# KiCad board ILI9341_ESP32.kicad_pcb (continued)
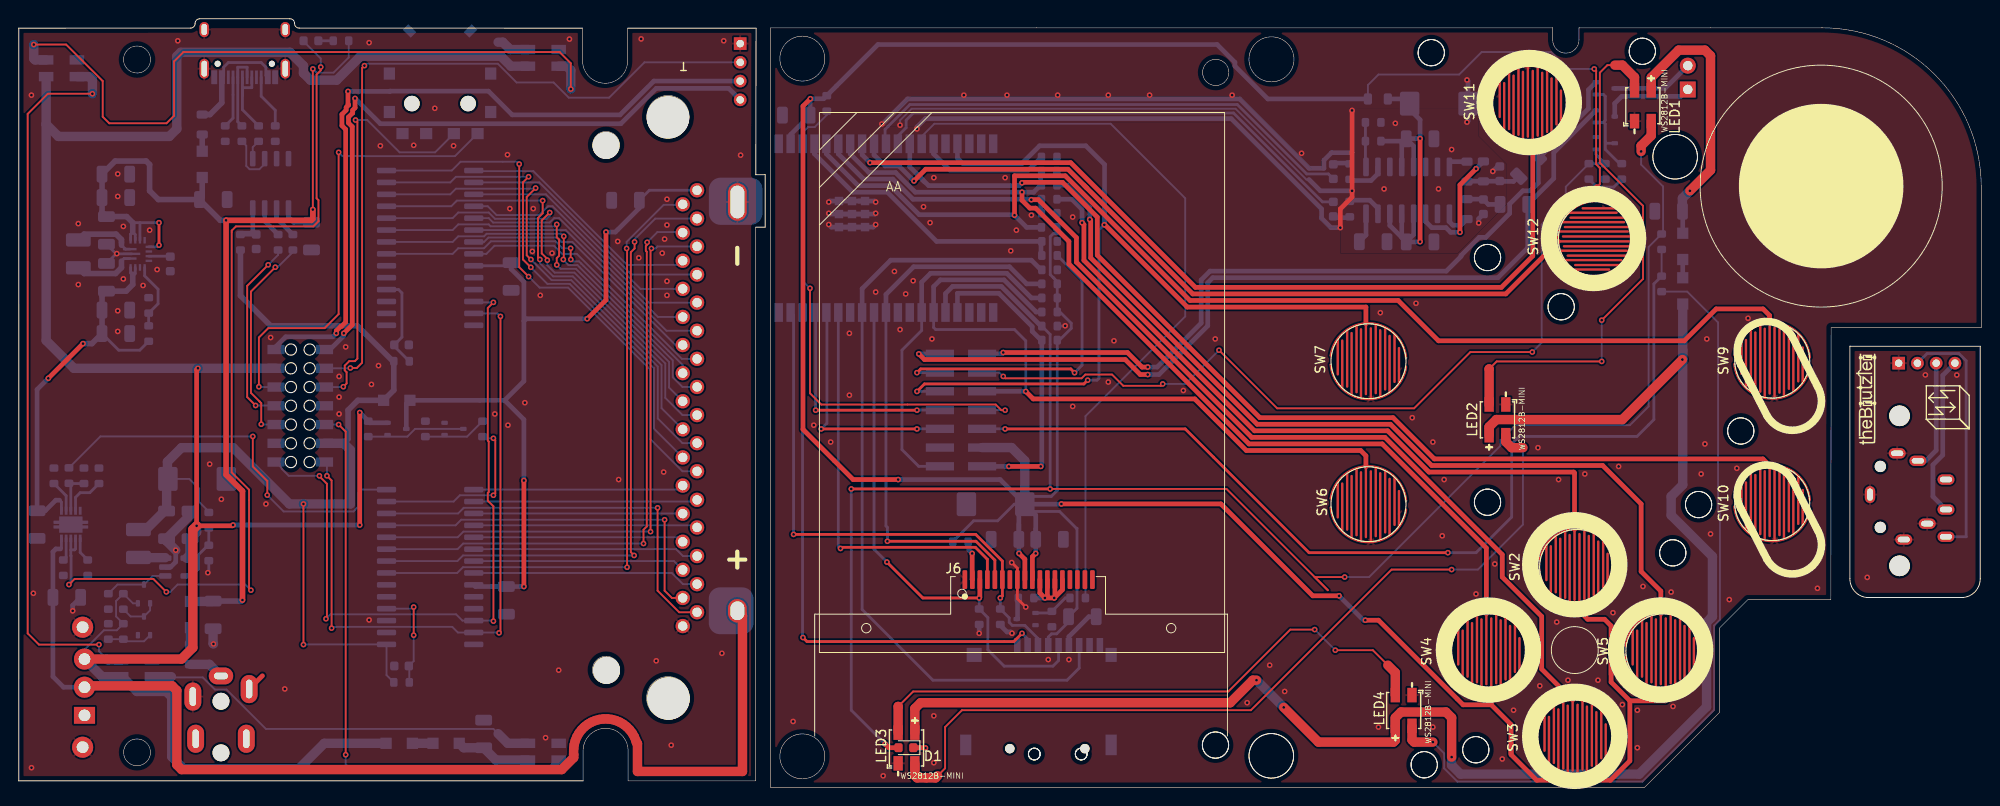
[diagram p0: board, top side]
## Nets
+3V3: C4.1 C9.1 C20.1 C26.1 C28.1 C30.1 C31.1 D5.2 FB1.1 J5.4 J6.9 J6.10 L1.2 R10.2 R11.2 R12.1 R14.2 R15.2 R16.2 R17.2 R18.2 R24.1 R26.2 R29.1 R39.1 R40.1 SW2.1 SW3.1 SW4.1 SW5.1 U3.2 U6.15 U8.4 U12.4
/V3: C10.1 R15.1 U1.8
GND: BT2.2 C1.2 C2.2 C3.2 C4.2 C5.2 C6.2 C7.2 C8.2 C9.2 C10.2 C11.2 C14.2 C15.2 C16.1 C19.2 C20.2 C21.1 C22.1 C23.2 C24.2 C25.2 C26.2 C27.2 C28.2 C29.2 C30.2 C31.2 C32.1 C33.1 C34.2 C35.2 C36.2 C37.2 C38.2 DC1.3 J1.A1 J1.A12 J1.B1 J1.B12 J1.S1 J3.1 J5.6 J5.G J6.1 J6.8 J7.32 J10.1 LED1.3 LED2.3 LED3.3 LED4.3 LED5.3 LED6.3 LED7.3 LED8.3 Q2.2 Q6.2 Q8.2 Q9.2 R2.2 R4.1 R5.2 R9.2 R13.2 R19.2 R20.2 R21.2 R22.2 R23.2 R27.2 R33.2 R36.2 R37.2 R45.2 R47.2 R48.1 R49.1 R50.2 R51.1 R53.2 R54.1 R56.1 R59.2 SW1.4 SW1.5 SW6.1 SW7.1 SW9.1 SW10.1 SW11.1 SW12.1 U1.3 U2.2 U3.1 U3.15 U3.38 U3.39 U4.2 U4.11 U4.15 U5.10 U5.15 U5.16 U5.17 U6.10 U6.16 U6.17 U7.C U8.3 U9.5 U9.11 U11.2 U11.4 U11.6 U11.10 U11.15 U12.3
/AUDIO/AUDIO_DETECT: J3.2 U12.12
/AUDIO/AUDIO_LEFT: J3.3 U12.13
/AUDIO/AUDIO_RIGHT: J3.4 U12.14
/CHARGER_EN: R55.2 U6.28
/D+: R7.2 U1.1
/D-: R6.1 U1.2
/DC_JACK: DC1.1
/DMG_CARD/CARD_A0: J7.6 U5.1
/DMG_CARD/CARD_A1: J7.7 U5.2
/DMG_CARD/CARD_A2: J7.8 U5.3
/DMG_CARD/CARD_A3: J7.9 U5.4
/DMG_CARD/CARD_A4: J7.10 U5.5
/DMG_CARD/CARD_A5: J7.11 U5.6
/DMG_CARD/CARD_A6: J7.12 U5.7
/DMG_CARD/CARD_A7: J7.13 U5.8
/DMG_CARD/CARD_A8: J7.14 U5.21
/DMG_CARD/CARD_A9: J7.15 U5.22
/DMG_CARD/CARD_A10: J7.16 U5.23
/DMG_CARD/CARD_A11: J7.17 U5.24
/DMG_CARD/CARD_A12: J7.18 U5.25
/DMG_CARD/CARD_A13: J7.19 U5.26
/DMG_CARD/CARD_A14: J7.20 U5.27
/DMG_CARD/CARD_A15: J7.21 U5.28
/DMG_CARD/CARD_CLK: J7.2 U6.21
/DMG_CARD/CARD_D0: J7.22 U6.1
/DMG_CARD/CARD_D1: J7.23 U6.2
/DMG_CARD/CARD_D2: J7.24 U6.3
/DMG_CARD/CARD_D3: J7.25 U6.4
/DMG_CARD/CARD_D4: J7.26 U6.5
/DMG_CARD/CARD_D5: J7.27 U6.6
/DMG_CARD/CARD_D6: J7.28 U6.7
/DMG_CARD/CARD_D7: J7.29 U6.8
/DMG_CARD/CARD_SCL: U5.12 U6.12 U12.1
/DMG_CARD/CARD_SDA: U5.13 U6.13 U12.2
/DMG_CARD/CARD_VCC: C23.1 C24.1 C25.1 D5.1 J7.1 Q5.3 U5.9 U6.9
/DMG_CARD/CARD_VIN: J7.31 U6.26
/DMG_CARD/CARD_VOLTAGE: Q5.1 Q6.3 R34.2
/DMG_CARD/CARD_~{CS}: J7.5 U6.24
/DMG_CARD/CARD_~{RD}: J7.4 U6.23
/DMG_CARD/CARD_~{RES}: J7.30 U6.25
/DMG_CARD/CARD_~{WR}: J7.3 U6.22
/EN: U12.8
/FRONT_BUTTONS/AudioLEFT: C17.2 Q3.2 U8.13
/FRONT_BUTTONS/AudioRIGHT: C18.2 Q7.2 U8.14
/FRONT_BUTTONS/CLK: J5.5 J6.3 R27.1 U3.30
/FRONT_BUTTONS/EN: R16.1 U3.3 U8.8
/FRONT_BUTTONS/I2C_CLK: R10.1 U3.26 U8.1
/FRONT_BUTTONS/I2C_SDA: R11.1 U3.23 U8.2
/FRONT_BUTTONS/KEY_A: SW11.2 U3.8
/FRONT_BUTTONS/KEY_B: SW12.2 U3.9
/FRONT_BUTTONS/KEY_DOWN: R32.2 SW5.2
/FRONT_BUTTONS/KEY_LEFT: R37.1 R38.1 SW3.2 U3.6
/FRONT_BUTTONS/KEY_MENU: SW7.2 U3.16 U8.9
/FRONT_BUTTONS/KEY_OPTION: R17.1 SW6.2 U3.25 U8.10
/FRONT_BUTTONS/KEY_RIGHT: R38.2 SW2.2
/FRONT_BUTTONS/KEY_SELECT: SW10.2 U3.12
/FRONT_BUTTONS/KEY_START: R14.1 SW9.2 U3.5
/FRONT_BUTTONS/KEY_UP: R21.1 R32.1 SW4.2 U3.7
/FRONT_BUTTONS/LCD_BCKL: R46.1 U3.13
/FRONT_BUTTONS/LCD_DC: J6.4 U3.33
/FRONT_BUTTONS/LCD_~{CS}: J6.5 R18.1 U3.29
/FRONT_BUTTONS/LED: D1.2 LED1.4 R19.1 R41.1 U3.24
/FRONT_BUTTONS/MOSI: J5.3 J6.6 R45.1 U3.37
/FRONT_BUTTONS/RXD: U3.34 U8.5
/FRONT_BUTTONS/SD_MISO: J5.7 R22.1 U3.31
/FRONT_BUTTONS/SD_~{CS}: J5.2 U3.36
/FRONT_BUTTONS/SOUND_LEFT: C12.1 U3.11
/FRONT_BUTTONS/SOUND_RIGHT: C13.1 U3.10
/FRONT_BUTTONS/SPK+: LS1.2 Q7.3
/FRONT_BUTTONS/SPK-: LS1.1 Q3.3
/FRONT_BUTTONS/SPK_~{EN}: Q8.1 R40.2 R47.1 U8.12
/FRONT_BUTTONS/TXD: U3.35 U8.7
/FRONT_BUTTONS/V_BAT_ADC: R35.2 R36.1 U3.4
/FRONT_BUTTONS/V_BATT: R35.1 U8.11
/FRONT_BUTTONS/xLED: LED8.4 U12.6
/KEY_MENU: U7.A U12.9
/KEY_OPTION: U7.S U12.10
/RXD: R43.1 U12.5
/STAT1: D4.1 U9.7 U9.8
/TXD: R44.1 U12.7
/V_BATT: C8.1 D7.2 LED5.1 LED6.1 LED7.1 Q5.2 Q10.2 R34.1 R58.1 R60.1 SW1.3 U2.4 U12.11
/VUSB: C1.1 C2.1 C11.1 C19.1 C34.1 C35.1 D2.1 D3.1 R57.1 U1.5 U11.1 U11.12 U11.13 U11.14
Net-(BT1-+): BT1.1 C3.1 J9.1 SW1.2 U9.10
Net-(C12-Pad2): C12.2 R3.1
Net-(C13-Pad2): C13.2 R8.1
Net-(C15-Pad1): C15.1 C18.1 FB3.2 FB4.2
Net-(C16-Pad2): C16.2 C17.1 FB2.2
Net-(D1-K): D1.1 R20.1
Net-(D2-A): D2.2 FB7.2
Net-(D3-A): D3.2 FB6.2
Net-(D4-A): D4.2 R57.2
Net-(D6-A): D6.2 D7.1
Net-(D6-K): C27.1 D6.1 LED8.1
Net-(D11-A): D11.2 D12.1
Net-(D11-K): C29.1 D11.1 LED1.1
Net-(D12-A): D12.2 LED2.1 LED3.1 LED4.1
Net-(DC1-Pad2): DC1.2 FB7.1
Net-(FB6-Pad1): FB6.1 J1.A4 J1.A9 J1.B4 J1.B9
Net-(J1-CC1): J1.A5 R4.2
Net-(J1-CC2): J1.B5 R5.1
Net-(J1-D+-PadA6): J1.A6 J1.B6 R7.1
Net-(J1-D--PadA7): J1.A7 J1.B7 R6.2
Net-(J2-Pin_1): CN1.1 CN1.5 CN1.8 J2.1
Net-(J2-Pin_2): CN1.6 J2.2
Net-(J2-Pin_3): CN1.3 J2.3
Net-(J2-Pin_4): CN1.2 J2.4
Net-(J6-Pin_2): J6.2 R26.1
Net-(J6-Pin_11): J6.11 J6.12 J6.13 J6.14 R28.2
Net-(LED1-DOUT): LED1.2 LED2.4
Net-(LED2-DOUT): LED2.2 LED3.4
Net-(LED3-DOUT): LED3.2 LED4.4
Net-(LED4-DOUT): LED4.2 R42.1
Net-(LED5-DIN): LED5.4 LED6.2
Net-(LED6-DIN): LED6.4 LED7.2
Net-(LED7-DIN): LED7.4 LED8.2
Net-(Q2-B): Q2.1 R23.1 R46.2
Net-(Q2-C): Q2.3 R28.1
Net-(Q3-G): Q3.1 Q7.1 Q8.3 R39.2
Net-(Q6-B): Q6.1 R30.2 R33.1
Net-(Q9-B): Q9.1 R59.1 R60.2
Net-(Q10-D): Q10.3 R9.1 U2.1
Net-(Q10-G): Q9.3 Q10.1 R58.2
Net-(R41-Pad2): R41.2 R42.2 U8.6
Net-(U1-RXD): R44.2 U1.7
Net-(U1-TXD): R43.2 U1.6
Net-(U2-FB): R12.2 R13.1 U2.5
Net-(U2-SW): L1.1 U2.3
Net-(U3-IO12): R56.2 U3.14
Net-(U4-+OUT_L): FB2.1 U4.1
Net-(U4-+OUT_R): FB3.1 U4.16
Net-(U4--OUT_L): FB4.1 U4.3
Net-(U4-INL): R3.2 U4.7
Net-(U4-INR): R8.2 U4.10
Net-(U4-MODE): R1.2 R2.1 U4.9
Net-(U4-PVDDL): C5.1 C6.1 C7.1 FB1.2 R1.1 U4.4 U4.5 U4.6 U4.12 U4.13
Net-(U4-VREF): C14.1 U4.8
Net-(U5-~{RESET}): C21.2 R24.2 U5.18
Net-(U6-GPA6): R30.1 U6.27
Net-(U6-~{RESET}): C22.2 R29.2 U6.18
Net-(U9-CHM_TMR): R49.2 U9.6
Net-(U9-IN): C32.2 C33.2 C37.1 C38.1 R52.2 U9.1 U11.7 U11.8
Net-(U9-ISET): R50.1 U9.2
Net-(U9-TS): R53.1 U9.4
Net-(U9-VSET): R48.2 U9.9
Net-(U9-~{CE}): R54.2 R55.1 U9.3
Net-(U11-FB): R51.2 R52.1 U11.5
Net-(U11-L1): L2.1 U11.11
Net-(U11-L2): L2.2 U11.9
Net-(U11-Vaux): C36.1 U11.3

Pads without a net: CN1 4; DC1 4 5; J1 A8 B8; J5 1 8 CD; J6 7 15 16 17 18; LED5 2; SW1 1; U1 4; U3 17 18 19 20 21 22 27 28 32; U4 14; U5 11 14 19 20; U6 11 14 19 20; U7 B

## Via types
v1: diameter 0.6, hole 0.3, Top to Bottom, 324 vias

## Routing (per net, layer and track width the routed paths; a pad name or vN(x,y) marks a point on that pad's centre or on a via; arc(x,y) is an arc through that point)
+3V3: length 492.6
  Top w0.2: v1(168.24,64.01) 168.55,64.33 168.55,66.05 168.15,66.45 168.15,76.38 168.17,76.4 v1(167.95,76.62) ; v1(30.35,15.22) v1(30.35,30.22)
  Top w0.5: v1(84.39,73.44) 83.6,72.65 83.6,38.17 88.95,32.82 v1(93.75,32.82) ; v1(143.55,17.82) 144.95,17.82 153.98,8.79 156.98,8.79 ; SW5.1 175.58,9.24 175.55,9.22 171.75,9.22 ; 166.15,0.75 169.68,0.75 171.75,2.82 171.75,9.22 ; 166.15,0.75 161.82,0.75 159.08,3.49 159.08,3.62 ; 166.15,0.75 166.18,0.78 SW3.1 ; 169.75,13.42 169.75,17.22 169.05,17.92 167.25,17.92 166.38,18.79 SW2.1 ; 169.75,13.42 169.75,12.02 ; 169.75,13.42 169.75,11.22 171.75,9.22 ; v1(111.15,30.22) 128.15,30.22 137.95,20.42 v1(140.75,20.42) ; 159.08,4.69 159.08,3.62 ; J6.10 108.06,24.58 v1(108.41,24.94) ; 159.08,3.62 159.08,6.69 156.98,8.79 ; J6.9 107.26,24.32 v1(106.64,24.94) ; 156.98,8.79 SW4.1
  Bottom w0.2: C28.1 18.18,32.89 19.23,31.84 19.23,30.43 20.26,29.4 ; FB1.1 143.82,74.89 144.95,76.02 153.55,76.02 155.95,78.42 163.37,78.42 165.17,76.62 v1(167.95,76.62) ; R29.1 39.2,11.96 39.2,15.23 30.37,15.23 v1(30.35,15.22)
  Bottom w0.3: R39.1 170.04,64.01 v1(168.24,64.01) R40.1 ; C30.1 108.08,31.02 110.07,31.02 110.71,31.66 R11.2 110.94,47.69 112.2,48.95 112.2,49.49 110.71,50.98 110.71,53.93 109.96,54.68 109.96,58.73 110.28,59.04 110.71,59.04 110.71,59.68 R14.2 ; C30.1 108.02,29.42 110.95,29.42 112.75,27.62 112.81,27.62 112.81,19.09 C9.1 111.91,17.63 110.64,16.36 110.1,16.36 109.75,16.02 J5.4 ; C30.1 106.12,30.19 104.35,28.42 101.79,28.42 R26.2
  Bottom w0.5: C30.1 108.41,29.03 C26.1 ; C30.1 111.12,30.19 v1(111.15,30.22) ; C30.1 106.61,29.55 C20.1 ; C30.1 104.62,32.82 v1(93.75,32.82) ; v1(143.55,17.82) 143.35,17.82 v1(140.75,20.42) ; v1(108.41,24.94) 108.41,27.53 ; 111.78,18.05 C9.1 ; FB1.1 133.15,73.41 129.65,76.92 129.65,77.32 127.75,79.22 91.59,79.22 85.81,73.44 v1(84.39,73.44) 84.36,73.41 C31.1 82.29,69.61 U3.2 ; 106.61,24.94 106.61,28.05
  Bottom w0.6: 23.64,57.21 23.64,52.43 26.85,49.22 36.1,49.22 39.88,45.44 R24.1 39.98,42.35 D5.2 36.15,41.27 35.1,40.22 35.1,37.15 34.63,36.69
  Bottom w1: C28.1 15.85,32.94 15.85,34.72 17.35,36.22 22.85,36.22 28.85,30.22 v1(30.35,30.22) 35.35,30.22 35.35,35.97 34.63,36.69 U12.4 ; C4.1 15.53,29.46 13.56,27.49 L1.2 ; 15.76,29.66 15.76,32.46 ; C30.1 107.25,34.82 105.84,36.23 U8.4
/V3: length 4.7
  Bottom w0.5: C10.1 24.95,59.32 U1.8
  Bottom w0.6: 23.64,59.04 25.23,59.04 C10.1
GND: length 236.1
  Top w0.3: v1(107.35,19.22) 106.46,20.11 J6.8 106.46,23.36 v1(105.85,23.97)
  Top w0.5: v1(142.14,72.19) 142.14,62.94 140.89,61.69 v1(140.89,59.69)
  Bottom w0.2: 137.55,64.82 137.27,64.82 129.72,72.37 95.18,72.37 93.95,71.13 v1(93.95,70.62)
  Bottom w0.3: R19.2 111.52,49.19 v1(111.55,49.22) ; C32.1 10.38,56.89 ; 10.38,56.89 C35.2 ; 10.38,56.89 10.43,56.89 v1(10.45,56.92) 10.48,56.89 U11.10 ; v1(20.16,22.89) 20.26,22.99 20.26,24.07
  Bottom w0.5: 89.55,62.52 86.46,62.52 v1(86.35,62.42) ; 89.55,62.52 91.24,62.52 v1(91.35,62.42) ; 89.55,62.52 U3.39 ; 104.64,17.28 105.35,16.56 105.74,16.56 v1(105.88,16.42) ; U3.39 91.27,61.13 v1(91.35,61.22) ; v1(95.75,70.22) 95.75,70.42 96.65,71.32 129.25,71.32 138.89,61.68 138.89,60.69 139.89,59.69 v1(140.89,59.69) ; U3.39 91.08,59.74 v1(91.35,60.02) ; v1(154.39,75.44) 154.5,75.33 C5.2 154.5,71.05 v1(154.39,70.94) ; v1(86.35,60.02) 86.62,59.74 U3.39 ; J5.6 111.95,16.07 114.07,18.19 C9.2 ; C3.2 5.75,19.41 v1(5.75,18.82) ; v1(16.73,25.29) 16.73,24.03 16.19,23.49 U2.2 ; v1(86.35,61.22) 86.43,61.13 U3.39 ; v1(92.01,70.74) 92.08,70.74 94.75,73.42 130.15,73.42 137.55,66.02 139.14,66.02 139.14,66.87 139.95,67.69 142.14,67.69 v1(142.14,72.19) ; v1(155.64,60.19) 155.64,60.64 C16.1 ; 137.55,64.82 138.75,63.62 v1(142.14,63.62) ; 102.39,17.28 v1(102.39,16.42) ; v1(157.14,65.69) 157.66,66.21 C15.2
  Bottom w1: v1(16.73,25.29) 15.76,26.26 C4.2 18.26,29.01 C8.2 ; v1(20.76,15.29) 20.72,15.33 C19.2
  vias: v1(1.35,73.82) v1(1.36,2.09) v1(1.56,20.69) v1(6.35,60.12) v1(6.35,53.62) v1(10.55,65.42) v1(10.55,63.02) v1(10.55,50.82) v1(10.55,48.62) v1(11.15,59.82) v1(11.15,54.22) v1(13.25,53.52) v1(13.95,59.42) v1(14.75,55.22) v1(16.95,79.62) v1(20.35,34.47) v1(21.6,30.72) v1(26.35,30.22) v1(26.85,47.97) v1(28.36,10.49) v1(34.15,43.82) v1(34.15,41.62) v1(34.15,39.82) v1(34.85,46.97) v1(37.35,79.42) v1(37.35,17.84) v1(37.6,42.97) v1(38.35,44.97) v1(38.55,68.42) v1(42.1,68.47) v1(44.35,72.42) v1(46.35,68.42) v1(50.75,39.82) v1(52.1,67.47) v1(52.15,38.62) v1(52.35,61.72) v1(53.95,41.02) v1(54.75,57.16) v1(54.85,61.72) v1(55.6,52.47) v1(56.16,5.29) v1(56.85,56.97) v1(57.56,12.49) v1(58.7,79.8) v1(63.85,58.22) v1(63.95,32.82) v1(66.1,56.47) v1(66.35,79.82) v1(67.96,13.49) v1(68.6,56.97) v1(68.75,33.62) v1(68.85,58.47) v1(69.1,62.72) v1(69.1,59.97) v1(69.1,53.97) v1(69.1,52.47) v1(69.56,4.49) v1(74.96,14.29) v1(75.15,79.62) v1(76.95,67.42) v1(82.55,7.02) v1(84.75,38.62) v1(86.55,36.82) v1(88.55,48.42) v1(88.55,41.82) v1(91.35,52.82) v1(92.15,1.22) v1(93.35,55.02) v1(93.95,48.82) v1(94.55,52.62) v1(95.35,54.02) v1(96.45,61.92) v1(97.15,60.22) v1(97.35,47.82) v1(97.55,65.02) v1(97.55,7.62) v1(97.55,2.62) v1(100.75,73.82) v1(105.15,65.02) v1(105.35,73.82) v1(105.75,57.22) v1(106.35,59.42) v1(107.95,61.02) v1(109.75,13.62) v1(110.75,73.82) v1(111.95,13.62) v1(112.35,60.82) v1(112.35,40.62) v1(116.15,73.82) v1(116.15,43.22) v1(116.75,47.62) v1(120.55,73.82) v1(124.15,42.32) v1(127.55,47.82) v1(129.35,73.82) v1(130.95,9.02) v1(133.35,13.02) v1(134.95,10.22) v1(136.75,67.62) v1(144.95,6.42) v1(145.15,50.62) v1(145.55,63.82) v1(146.75,70.82) v1(148.55,39.42) v1(148.95,51.62) v1(150.75,36.82) v1(150.75,6.42) v1(151.35,63.82) v1(151.75,26.82) v1(151.95,32.82) v1(152.75,68.02) v1(155.35,20.62) v1(157.35,23.82) v1(158.15,3.02) v1(159.35,8.22) v1(161.95,36.22) v1(162.15,10.82) v1(163.95,17.62) v1(164.15,32.82) v1(165.15,11.42) v1(166.95,33.42) v1(168.35,11.42) v1(169.95,18.62) v1(170.55,34.22) v1(170.95,8.82) v1(172.55,8.22) v1(172.55,4.22) v1(173.15,21.42) v1(176.15,20.82) v1(176.35,8.62) v1(179.35,33.42) v1(179.75,36.62) v1(179.95,47.82) v1(180.35,27.02) v1(182.35,20.02) v1(183.15,34.02) v1(184.35,50.02) v1(191.75,21.22)
/AUDIO/AUDIO_DETECT: length 79.2
  Top w0.2: v1(35.35,44.72) 36.03,44.72 36.6,45.28 36.6,76.72 v1(36.85,76.97)
  Bottom w0.2: v1(35.35,44.72) 35.32,44.69 U12.12 ; J3.2 66.7,77.32 62.93,73.55 58.63,73.55 57.02,75.17 53.07,75.17 51.07,77.17 37.05,77.17 v1(36.85,76.97)
/AUDIO/AUDIO_LEFT: length 78.4
  Top w0.5: v1(35.1,74.22) 35.1,72.84 35.15,72.79 35.15,72.76 34.9,72.51 34.9,72.22 34.45,71.77 34.45,70.57 34.85,70.17 34.85,49.61 34.41,49.17 34.34,49.17 33.85,48.68 v1(33.85,48.42)
  Bottom w0.5: v1(33.85,48.42) 33.48,48.04 28.46,48.04 27.41,47 U12.13 ; J3.3 67.7,75.32 64.1,71.72 52.6,71.72 50.07,74.25 39.58,74.25 39.55,74.22 v1(35.1,74.22)
/AUDIO/AUDIO_RIGHT: length 73
  Top w0.5: v1(34.65,48.42) 35.55,49.32 35.55,70.46 35.15,70.86 35.15,71.48 35.59,71.92 35.6,71.92 35.6,72.22 35.85,72.47 v1(35.85,73.47)
  Bottom w0.5: U12.14 33.18,46.69 34.65,48.16 v1(34.65,48.42) ; v1(35.85,73.47) 38.55,70.77 64.18,70.77 67.96,74.54 75.69,74.54 J3.4
/CHARGER_EN: length 43.2
  Top w0.2: v1(26.49,31.16) 26.49,32.67 24.95,34.22 v1(24.95,37.42)
  Bottom w0.2: v1(26.49,31.16) 28.24,29.42 35.68,29.42 36.15,29.89 36.15,31.42 36.48,31.74 U6.28 ; v1(24.95,37.42) 8.7,37.42 R55.2
/D+: length 2.1
  Bottom w0.2: U1.1 24.95,68.27 R7.2
/D-: length 5.7
  Bottom w0.2: R6.1 24.25,68.43 24.25,66.27 24.6,65.92 25.65,65.92 26.22,66.48 U1.2
/DC_JACK: length 2
  Top w0.5: 25.97,11.89 DC1.1
/DMG_CARD/CARD_A0: length 26.6
  Bottom w0.2: J7.6 70.34,55.72 64.85,55.72 54.85,65.72 48.57,65.72 U5.1
/DMG_CARD/CARD_A1: length 27.9
  Bottom w0.2: U5.2 55.49,64.51 65.32,54.68 J7.7
/DMG_CARD/CARD_A2: length 26.5
  Bottom w0.2: U5.3 56.2,63.24 66.28,53.16 J7.8
/DMG_CARD/CARD_A3: length 28.8
  Bottom w0.2: 48.5,61.97 50,61.97 50.94,61.03 55.48,61.03 56.42,61.97 56.9,61.97 67.18,51.69 J7.9
/DMG_CARD/CARD_A4: length 27
  Bottom w0.2: J7.10 68.14,50.16 57.6,60.7 57.07,60.7 56.6,60.23 50.57,60.23 50.1,60.7 U5.5
/DMG_CARD/CARD_A5: length 28.3
  Bottom w0.2: 48.5,59.43 58.31,59.43 69.05,48.69 J7.11
/DMG_CARD/CARD_A6: length 27.2
  Bottom w0.2: J7.12 70.01,47.17 59.01,58.16 57.85,58.16 57.38,58.63 50.07,58.63 49.6,58.16 U5.7
/DMG_CARD/CARD_A7: length 29.2
  Bottom w0.2: J7.13 70.69,45.69 59.49,56.89 57.93,56.89 57.06,57.76 50.72,57.76 49.85,56.89 U5.8
/DMG_CARD/CARD_A8: length 39.2
  Top w0.2: v1(58.83,57.49) 58.83,56.31 v1(58.85,56.29)
  Bottom w0.2: v1(58.83,57.49) 57.95,57.49 57.21,58.23 50.34,58.23 49.6,57.49 46.85,57.49 46.25,56.89 U5.21 ; v1(58.85,56.29) 58.85,56.22 58.98,56.09 59.73,56.09 70.78,45.03 J7.14
/DMG_CARD/CARD_A9: length 42.8
  Top w0.2: v1(58.1,58.76) 58.1,56.34 v1(58.05,56.29)
  Bottom w0.2: v1(58.1,58.76) 57.83,59.03 49.87,59.03 49.6,58.76 46.85,58.76 46.25,58.16 U5.22 ; v1(58.05,56.29) 58.05,56.24 58.6,55.69 59.56,55.69 69.72,45.53 69.72,43.73 70.76,42.69 J7.15
/DMG_CARD/CARD_A10: length 44.1
  Top w0.2: v1(57.35,55.72) 57.35,56.44 57.6,56.69 57.6,58.41 57.35,58.66 v1(57.35,60.03)
  Bottom w0.2: J7.16 69.32,42.63 69.32,45.36 59.4,55.29 57.78,55.29 v1(57.35,55.72) ; 39.2,59.43 46.25,59.43 46.85,60.03 50.1,60.03 50.3,59.83 57.15,59.83 v1(57.35,60.03)
/DMG_CARD/CARD_A11: length 49.3
  Top w0.2: v1(56.35,56.22) 56.35,56.34 55.75,56.94 55.75,60.45 v1(56.6,61.3)
  Bottom w0.2: v1(56.6,61.3) 56.6,60.97 56.26,60.63 50.77,60.63 50.1,61.3 46.85,61.3 46.25,60.7 U5.24 ; v1(56.35,56.22) 56.35,55.67 57.13,54.89 59.23,54.89 68.92,45.2 68.92,41.53 70.76,39.7 J7.17
/DMG_CARD/CARD_A12: length 49.1
  Top w0.2: v1(55.55,56.29) 55.35,56.49 55.35,60.72 55.85,61.22 v1(55.85,62.57)
  Bottom w0.2: v1(55.85,62.57) 46.7,62.57 46.1,61.97 39.2,61.97 ; v1(55.55,56.29) 55.55,55.9 56.97,54.49 59.06,54.49 68.52,45.03 68.52,40.44 J7.18
/DMG_CARD/CARD_A13: length 53.4
  Top w0.2: v1(54.6,56.29) 54.15,56.74 54.15,62.96 v1(55.1,63.91)
  Bottom w0.2: v1(54.6,56.29) 56.8,54.09 58.9,54.09 68.12,44.87 68.12,39.33 70.76,36.7 J7.19 ; U5.26 46,63.24 46.6,63.84 55.03,63.84 v1(55.1,63.91)
/DMG_CARD/CARD_A14: length 54
  Top w0.2: v1(54.35,65.12) 53.75,64.52 53.75,56.29 v1(54.59,55.45)
  Bottom w0.2: v1(54.59,55.45) 56.35,53.69 58.73,53.69 67.72,44.7 67.72,38.24 J7.20 ; v1(54.35,65.12) 54.34,65.11 46.6,65.11 46,64.51 U5.27
/DMG_CARD/CARD_A15: length 57.9
  Top w0.2: v1(53.35,66.47) 53.35,55.47 v1(54.35,54.47)
  Bottom w0.2: v1(53.35,66.47) 53.1,66.72 47.1,66.72 46.16,65.78 U5.28 ; J7.21 70.76,33.7 67.32,37.14 67.32,44.54 58.57,53.29 55.53,53.29 v1(54.35,54.47)
/DMG_CARD/CARD_CLK: length 68.3
  Top w0.2: v1(64.85,23.47) 64.85,57.42 v1(64.8,57.47)
  Bottom w0.2: J7.2 70.72,62.12 68.75,62.12 64.8,58.17 v1(64.8,57.47) ; v1(64.85,23.47) 47.35,23.47 46.74,22.85 U6.21
/DMG_CARD/CARD_D0: length 22.5
  Bottom w0.2: U6.1 70.35,31.74 J7.22
/DMG_CARD/CARD_D1: length 23.9
  Bottom w0.2: J7.23 72.13,30.47 U6.2
/DMG_CARD/CARD_D2: length 22.3
  Bottom w0.2: U6.3 70.76,29.2 J7.24
/DMG_CARD/CARD_D3: length 23.9
  Bottom w0.2: 48.5,27.93 72.08,27.93 J7.25
/DMG_CARD/CARD_D4: length 22.5
  Bottom w0.2: J7.26 70.3,26.66 U6.5
/DMG_CARD/CARD_D5: length 24.1
  Bottom w0.2: J7.27 70.81,24.66 70.07,25.39 U6.6
/DMG_CARD/CARD_D6: length 22.7
  Bottom w0.2: J7.28 69.85,24.12 U6.7
/DMG_CARD/CARD_D7: length 24.3
  Bottom w0.2: U6.8 69.61,22.85 70.81,21.66 J7.29
/DMG_CARD/CARD_SCL: length 76
  Top w0.2: v1(50.6,17.72) 50.6,29.97 50,30.57 50,31.39 50.1,31.49 50.1,36.87 50,36.97 50,51.12 v1(50.6,51.72) ; v1(32.75,17.97) 32.85,18.07 32.85,32.37 32.05,33.17 v1(32.05,33.22)
  Bottom w0.2: U5.12 48.6,51.72 v1(50.6,51.72) ; v1(32.05,33.22) 28.78,33.22 28.05,33.95 27.91,34.18 U12.1 ; v1(32.75,17.97) 33.23,18.44 46.62,18.44 47.29,17.77 U6.12 50.54,17.77 v1(50.6,17.72)
/DMG_CARD/CARD_SDA: length 73
  Top w0.2: v1(51.35,50.22) 51.35,16.62 v1(51.2,16.47) ; v1(33.35,16.97) 33.35,32.72 v1(32.85,33.22)
  Bottom w0.2: v1(51.2,16.47) 51.16,16.5 U6.13 46.81,16.5 46.21,17.1 33.49,17.1 v1(33.35,16.97) ; U12.2 32.85,34.45 v1(32.85,33.22) ; v1(51.35,50.22) 51.03,50.54 U5.13
/DMG_CARD/CARD_VCC: length 88.6
  Top w0.5: v1(53.85,21.41) v1(53.85,32.72) ; v1(62.6,59.22) 62.6,51.97 v1(60.6,49.97)
  Bottom w0.3: J7.1 67.23,63.68 C25.1 ; C23.1 52.16,55.62 U5.9
  Bottom w0.5: 53.85,49.72 53.85,43.32 51.8,41.27 ; 53.85,49.72 54.1,49.97 v1(60.6,49.97) ; 53.85,49.72 53.85,53.91 52.49,55.27 C23.1 ; 51.8,41.27 53.85,39.22 v1(53.85,32.72) ; 51.8,41.27 D5.1 41.31,40.89 Q5.3 ; C25.1 66.16,61.77 63.6,59.22 v1(62.6,59.22) ; U6.9 48.68,21.41 C24.1 v1(53.85,21.41)
/DMG_CARD/CARD_VIN: length 43.1
  Top w0.2: v1(68.1,29.8) 68.1,20.97 70.4,18.67 J7.31
  Bottom w0.2: U6.26 46.84,29.2 47.44,29.8 v1(68.1,29.8)
/DMG_CARD/CARD_VOLTAGE: length 10.5
  Bottom w0.2: Q6.3 42.25,38.22 41.43,37.4 R34.2
/DMG_CARD/CARD_~{CS}: length 63.6
  Top w0.2: v1(67.45,57.47) 67.35,57.37 v1(67.35,27.26)
  Bottom w0.2: U6.24 46.8,26.66 47.4,27.26 v1(67.35,27.26) ; J7.5 68.09,57.68 67.88,57.47 v1(67.45,57.47)
/DMG_CARD/CARD_~{RD}: length 64.3
  Top w0.2: v1(66.6,25.99) 66.6,27.47 66.95,27.82 66.95,57.12 66.85,57.22 66.85,57.72 66.95,57.82 66.95,58.08 v1(66.99,58.12)
  Bottom w0.2: J7.4 70.72,59.22 68.08,59.22 v1(66.99,58.12) ; U6.23 46.78,25.39 47.38,25.99 v1(66.6,25.99)
/DMG_CARD/CARD_~{RES}: length 39.7
  Top w0.2: J7.30 69.63,20.19 68.85,20.97 v1(68.85,28.53)
  Bottom w0.2: 39.2,27.93 46.57,27.93 47.17,28.53 v1(68.85,28.53)
/DMG_CARD/CARD_~{WR}: length 68.3
  Top w0.2: v1(65.6,24.72) 65.25,25.07 65.25,57.07 65.65,57.47 v1(65.65,58.17)
  Bottom w0.2: U6.22 46.76,24.12 47.36,24.72 v1(65.6,24.72) ; J7.3 67.85,60.65 65.65,58.45 v1(65.65,58.17)
/FRONT_BUTTONS/AudioLEFT: length 94
  Top w0.5: v1(95.95,46.22) 96.55,45.62 117.95,45.62 119.55,44.02 v1(120.35,44.02)
  Bottom w0.5: U8.13 98.19,46.22 v1(95.95,46.22) ; Q3.2 163.64,67.69 163.64,64.94 C17.2 160.86,57.53 157.68,54.35 127.28,54.35 126.75,53.82 126.75,49.22 121.55,44.02 v1(120.35,44.02)
/FRONT_BUTTONS/AudioRIGHT: length 85.1
  Top w0.5: v1(120.35,44.82) 119.74,44.82 118.19,46.37 v1(104.95,46.37)
  Bottom w0.5: v1(104.95,46.37) 104.81,46.23 U8.14 ; 161.93,66.98 167.34,72.39 167.34,74.39 Q7.2 ; C18.2 161.99,64.46 161.15,63.62 160.34,63.62 158.94,62.21 158.94,61.2 156.38,58.65 155.68,58.65 153.75,56.71 153.75,56.62 152.18,55.05 126.99,55.05 126.05,54.11 126.05,49.51 121.36,44.82 v1(120.35,44.82)
/FRONT_BUTTONS/CLK: length 56.6
  Top w0.3: v1(102.39,20.19) 96.38,20.19 v1(92.55,24.02)
  Top w0.5: J6.3 102.46,20.26 v1(102.39,20.19)
  Bottom w0.3: J5.5 110.85,13.52 110.25,12.92 105.05,12.92 103.31,14.66 103.31,18.09 R27.1 v1(102.39,20.19) ; U3.30 91.18,25.39 v1(92.55,24.02)
/FRONT_BUTTONS/EN: length 55.9
  Top w0.2: v1(84.35,53.22) 84.35,42.02 85.55,40.82 104.15,40.82 104.75,40.22 v1(105.15,40.22)
  Bottom w0.2: v1(105.15,40.22) 105.14,40.23 U8.8 ; v1(84.35,53.22) 83.56,54.01 U3.3 83.56,69.82 84.15,70.42 84.85,70.42 86.14,71.7 R16.1
/FRONT_BUTTONS/I2C_CLK: length 37.7
  Bottom w0.3: U3.26 96.26,48.72 94.15,46.62 94.15,36.02 95.94,34.23 U8.1
  Bottom w0.5: 108.97,52.19 107.95,52.19 105.32,54.82 97.2,54.82 96.26,53.87 U3.26
/FRONT_BUTTONS/I2C_SDA: length 33.1
  Top w0.5: v1(108.95,34.22) v1(105.55,34.22)
  Bottom w0.5: v1(108.95,34.22) 109.06,34.33 R11.1 ; U3.23 100.07,52.68 104.49,52.68 108.04,49.14 108.04,48.63 108.97,47.69 ; v1(105.55,34.22) 102.71,34.22 U8.2
/FRONT_BUTTONS/KEY_A: length 92.1
  Top w0.5: SW11.2 161.4,56.67 158.05,53.32 125.44,53.32 112.14,66.62 v1(90.75,66.62)
  Bottom w0.5: U3.8 89.91,67.46 v1(90.75,66.62)
/FRONT_BUTTONS/KEY_B: length 84.1
  Top w0.5: v1(95.43,64.67) 96.68,65.92 111.85,65.92 113.85,63.92 ; SW12.2 158.52,52.62 125.15,52.62 113.85,63.92 ; 113.85,63.92 113.55,64.22
  Bottom w0.5: v1(95.43,64.67) 93.83,66.27 92.35,66.27 91.18,67.44 U3.9
/FRONT_BUTTONS/KEY_DOWN: length 92
  Top w0.5: SW5.2 175.05,20.92 172.95,23.02 172.95,30.22 168.85,34.32 150.62,34.32 146.22,38.72 132.02,38.72 114.27,56.46 114.27,60.45 v1(114.17,60.56)
  Bottom w0.5: R32.2 111.75,64.22 114.17,61.8 v1(114.17,60.56)
/FRONT_BUTTONS/KEY_LEFT: length 112.2
  Top w0.5: SW3.2 162.35,12.6 162.35,18.22 158.14,22.42 158.14,24.81 145.64,37.32 131.44,37.32 112.75,56.01 112.75,58.62 108.7,62.67 v1(107.94,62.67)
  Bottom w0.5: U3.6 87.37,67.55 90.05,64.87 93.18,64.87 95.33,62.72 108.94,62.72 108.94,61.22
/FRONT_BUTTONS/KEY_MENU: length 97.9
  Top w0.3: v1(95.75,42.22) 96.55,43.02 113.55,43.02 v1(113.95,43.42)
  Top w0.5: v1(115.72,59.99) 115.8,59.99 124.57,51.22 143.61,51.22 SW7.2
  Bottom w0.3: v1(115.72,59.99) 115.15,59.42 115.15,43.62 114.95,43.42 v1(113.95,43.42) ; U8.9 95.76,42.23 v1(95.75,42.22)
  Bottom w0.5: v1(115.72,59.99) 115.75,60.02 115.75,66.42 113.75,68.42 108.83,68.42 106.95,66.54 106.95,66.52 100.65,66.52 100.07,67.1 U3.16
/FRONT_BUTTONS/KEY_OPTION: length 78.3
  Top w0.5: SW6.2 143.61,35.36 143.05,35.92 130.86,35.92 125.36,41.42 108.15,41.42 v1(107.35,42.22)
  Bottom w0.3: U3.25 97.53,49.04 97.75,48.82 106.15,48.82 107.35,47.62 v1(107.35,42.22)
  Bottom w0.5: U8.10 107.34,42.23 v1(107.35,42.22) ; 108.97,50.69 108.46,50.69 105.03,54.12 98.25,54.12 97.53,53.39 U3.25
/FRONT_BUTTONS/KEY_RIGHT: length 76.4
  Top w0.5: v1(113.35,60.22) 113.55,60.02 113.55,56.2 131.73,38.02 145.93,38.02 150.33,33.62 165.75,33.62 165.85,33.52 SW2.2
  Bottom w0.5: R38.2 112.26,62.72 113.35,61.63 v1(113.35,60.22)
/FRONT_BUTTONS/KEY_SELECT: length 110.8
  Top w0.5: SW10.2 185.93,35.02 150.91,35.02 146.51,39.42 132.31,39.42 114.97,56.75 114.97,60.81 111.27,64.52 107,64.52 v1(106.95,64.47)
  Bottom w0.5: 96.05,65.11 96.99,64.17 106.65,64.17 v1(106.95,64.47) ; 96.05,65.11 94.99,66.17 U3.12 ; 96.05,65.11 96.35,64.81 96.35,64.77 96.55,64.57
/FRONT_BUTTONS/KEY_START: length 121.7
  Top w0.5: SW9.2 186.65,50.32 185.95,51.02 180.95,51.02 177.55,47.62 151.35,47.62 147.05,51.92 124.86,51.92 111.56,65.22 106.15,65.22 v1(106.15,61.02)
  Bottom w0.5: U3.5 86.1,67.55 89.48,64.17 92.89,64.17 95.99,61.07 106.1,61.07 v1(106.15,61.02) 107.45,59.72 108.94,59.72
/FRONT_BUTTONS/KEY_UP: length 99
  Top w0.5: SW4.2 156.45,25.52 145.35,36.62 131.15,36.62 111.95,55.82 111.95,58.22 108.4,61.77 107.78,61.77 106.95,62.6 v1(106.95,63.47)
  Bottom w0.5: 108.94,65.72 108.94,64.22 108.19,63.47 95.57,63.47 93.47,65.57 90.62,65.57 88.64,67.55 U3.7
/FRONT_BUTTONS/LCD_BCKL: length 79.8
  Bottom w0.2: U3.13 96.26,69.41 97.61,70.77 116.4,70.77 124.35,62.82 124.35,50.22 113.71,39.58 R46.1
/FRONT_BUTTONS/LCD_DC: length 43.7
  Top w0.3: v1(87.6,25.47) 87.72,25.59 101.98,25.59 103.26,24.31 J6.4
  Bottom w0.3: U3.33 87.37,25.7 v1(87.6,25.47)
/FRONT_BUTTONS/LCD_~{CS}: length 59.3
  Top w0.3: v1(92.6,26.24) 102.04,26.24 104.06,24.22 J6.5
  Bottom w0.3: U3.29 92.45,27.87 92.6,27.72 v1(92.6,26.24)
  Bottom w0.5: 108.97,53.69 107.44,53.69 105.61,55.52 95.4,55.52 92.45,52.56 U3.29
/FRONT_BUTTONS/LED: length 195.5
  Top w0.2: v1(109.95,31.82) 128.75,31.82 139.55,21.02 138.15,22.42 v1(141.35,22.42)
  Top w0.3: v1(109.95,31.82) v1(88.75,31.82)
  Top w0.5: v1(92.35,4.62) 92.75,4.22 D1.2
  Top w1: v1(172.95,67.82) 172.95,68.42 174.03,69.49 LED1.4
  Bottom w0.2: v1(172.95,67.82) 172.95,66.42 175.29,64.08 175.29,59.16 R41.1 173.75,57.63 173.75,40.62 171.75,38.62 159.55,38.62 157.95,37.02 157.95,36.42 143.95,22.42 v1(141.35,22.42)
  Bottom w0.3: v1(92.35,4.62) 88.75,8.22 v1(88.75,31.82) ; v1(109.95,31.82) 109.95,48.3 R19.1
  Bottom w0.5: U3.24 98.8,52.66 99.55,53.42 104.74,53.42 108.97,49.19
/FRONT_BUTTONS/MOSI: length 58.8
  Top w0.3: v1(104.64,20.19) 104.86,20.41 J6.6 104.86,24.13 102.01,26.97 v1(82.6,26.97)
  Bottom w0.3: v1(104.64,20.19) R45.1 105.59,18.06 105.59,17.59 105.91,17.26 107.25,17.26 108.65,15.87 J5.3 ; v1(82.6,26.97) 82.6,50.32 U3.37
/FRONT_BUTTONS/RXD: length 25.3
  Top w0.3: v1(95.75,38.22) v1(85.55,38.22)
  Bottom w0.3: v1(95.75,38.22) 95.76,38.23 U8.5 ; U3.34 86.15,50.58 86.15,38.82 v1(85.55,38.22)
/FRONT_BUTTONS/SD_MISO: length 84.2
  Bottom w0.3: J5.7 113.05,12.72 111.75,11.42 97.45,11.42 89.91,18.96 U3.31
  Bottom w0.5: U3.31 89.91,53.17 92.95,56.22 107.94,56.22 108.97,55.19
/FRONT_BUTTONS/SD_~{CS}: length 60.1
  Top w0.3: v1(83.6,15.97) 84.03,15.54 106.07,15.54 v1(106.95,16.42)
  Bottom w0.3: v1(106.95,16.42) 107.55,15.82 J5.2 ; v1(83.6,15.97) 83.56,16.01 U3.36
/FRONT_BUTTONS/SOUND_LEFT: length 52.7
  Bottom w0.3: U3.11 93.72,69.46 94.6,70.35 94.6,71.15 95.37,71.92 129.5,71.92 138.98,62.44 C12.1
/FRONT_BUTTONS/SOUND_RIGHT: length 53.7
  Bottom w0.3: U3.10 92.35,68.73 92.35,70.16 92.66,70.47 92.66,70.48 95,72.82 129.9,72.82 137.3,65.42 139.61,65.42 C13.1
/FRONT_BUTTONS/SPK+: length 8.8
  Bottom w0.5: LS1.2 175.5,74.54 Q7.3
/FRONT_BUTTONS/SPK-: length 9.8
  Bottom w0.5: Q3.3 170.14,72.94 170.89,73.69 177.19,73.69 LS1.1
/FRONT_BUTTONS/SPK_~{EN}: length 92.5
  Top w0.2: v1(161.35,46.42) 154.75,46.42 148.75,40.42 134.15,40.42 v1(127.95,46.62) ; v1(104.95,43.82) 105.15,43.62 113.3,43.62 113.7,44.02 116.55,44.02 117.75,42.82 121.75,42.82 v1(121.95,43.02)
  Bottom w0.2: v1(104.95,43.82) 104.54,44.23 U8.12 ; R40.2 164.92,64.05 164.92,62.59 162.35,60.02 162.35,47.42 v1(161.35,46.42) ; v1(127.95,46.62) 124.35,43.02 v1(121.95,43.02)
  Bottom w0.3: Q8.1 168.14,67.51 R47.1 R40.2
/FRONT_BUTTONS/TXD: length 23.7
  Top w0.3: v1(95.75,40.22) v1(84.95,40.22)
  Bottom w0.3: U8.7 95.76,40.23 v1(95.75,40.22) ; U3.35 84.95,50.51 v1(84.95,40.22)
/FRONT_BUTTONS/V_BAT_ADC: length 30.6
  Bottom w0.5: U3.4 84.83,67.55 88.91,63.47 92.6,63.47 97.85,58.22 108.97,58.22 108.97,56.72
/FRONT_BUTTONS/V_BATT: length 33.5
  Top w0.3: v1(112.55,44.22) 112.15,44.62 96.15,44.62 v1(95.75,44.22)
  Bottom w0.3: v1(95.75,44.22) 95.76,44.23 U8.11 ; R35.1 113.35,54.08 113.35,45.02 v1(112.55,44.22)
/FRONT_BUTTONS/xLED: length 61.5
  Top w0.2: v1(34.85,3.47) 34.85,37.94 v1(34.1,38.69)
  Bottom w0.2: v1(34.85,3.47) 34.85,2.47 35.6,1.72 56.1,1.72 57.29,2.91 LED8.4 ; v1(34.1,38.69) U12.6
/KEY_MENU: length 49.8
  Top w0.2: v1(25.6,42.72) 25.6,47.97 26.6,48.97 32.6,48.97 34.1,50.47 v1(34.1,67.72)
  Bottom w0.2: U7.A 46.5,67.32 34.5,67.32 v1(34.1,67.72) ; v1(25.6,42.72) 25.63,42.69 U12.9
/KEY_OPTION: length 44.4
  Top w0.2: v1(35.9,71.17) 36.1,70.97 36.1,45.72 35.83,45.45 35.23,45.45 34.75,44.97 34.75,44.47 34.95,44.27 34.95,43.07 v1(34.6,42.72)
  Bottom w0.2: v1(34.6,42.72) 34.57,42.69 U12.10 ; v1(35.9,71.17) 37.15,71.17 40.6,67.72 44.38,67.72 U7.S
/RXD: length 22.5
  Top w0.2: v1(25.85,38.72) 25.85,40.97 24.75,42.07 24.75,52.87 v1(27.35,55.47)
  Bottom w0.2: U12.5 25.88,38.69 v1(25.85,38.72) ; v1(27.35,55.47) 27.6,55.47 29.22,57.09 29.22,57.21
/STAT1: length 96.6
  Top w0.2: v1(24.75,21.02) 24.55,21.22 24.55,31.73 22.7,33.58 22.7,59.37 23.15,59.82 31.4,59.82 31.95,60.37 31.95,62.62 31.75,62.82 31.75,76.02 32.19,76.46 v1(32.19,76.82) ; v1(5.35,21.62) 5.95,22.22 14.35,22.22 v1(15.73,20.84)
  Bottom w0.2: v1(24.75,21.02) 24.15,21.62 16.93,21.62 16.14,20.84 v1(15.73,20.84) ; D4.1 30.36,79.56 32.19,77.73 v1(32.19,76.82)
  Bottom w0.3: 5.55,25.32 5.55,24.7 5.58,24.68 5.58,21.84 v1(5.35,21.62) ; 5.55,25.32 5.95,25.32 6.05,25.42 U9.7 ; 5.55,25.32 U9.8
/TXD: length 20.4
  Top w0.2: v1(25.25,40.72) 24.35,41.62 24.35,53.48 v1(26.59,55.72)
  Bottom w0.2: U12.7 27.38,40.72 v1(25.25,40.72) ; 27.65,57.21 27.65,56.78 v1(26.59,55.72)
